# KiCad board Primero_esquematico.kicad_pcb (continued)
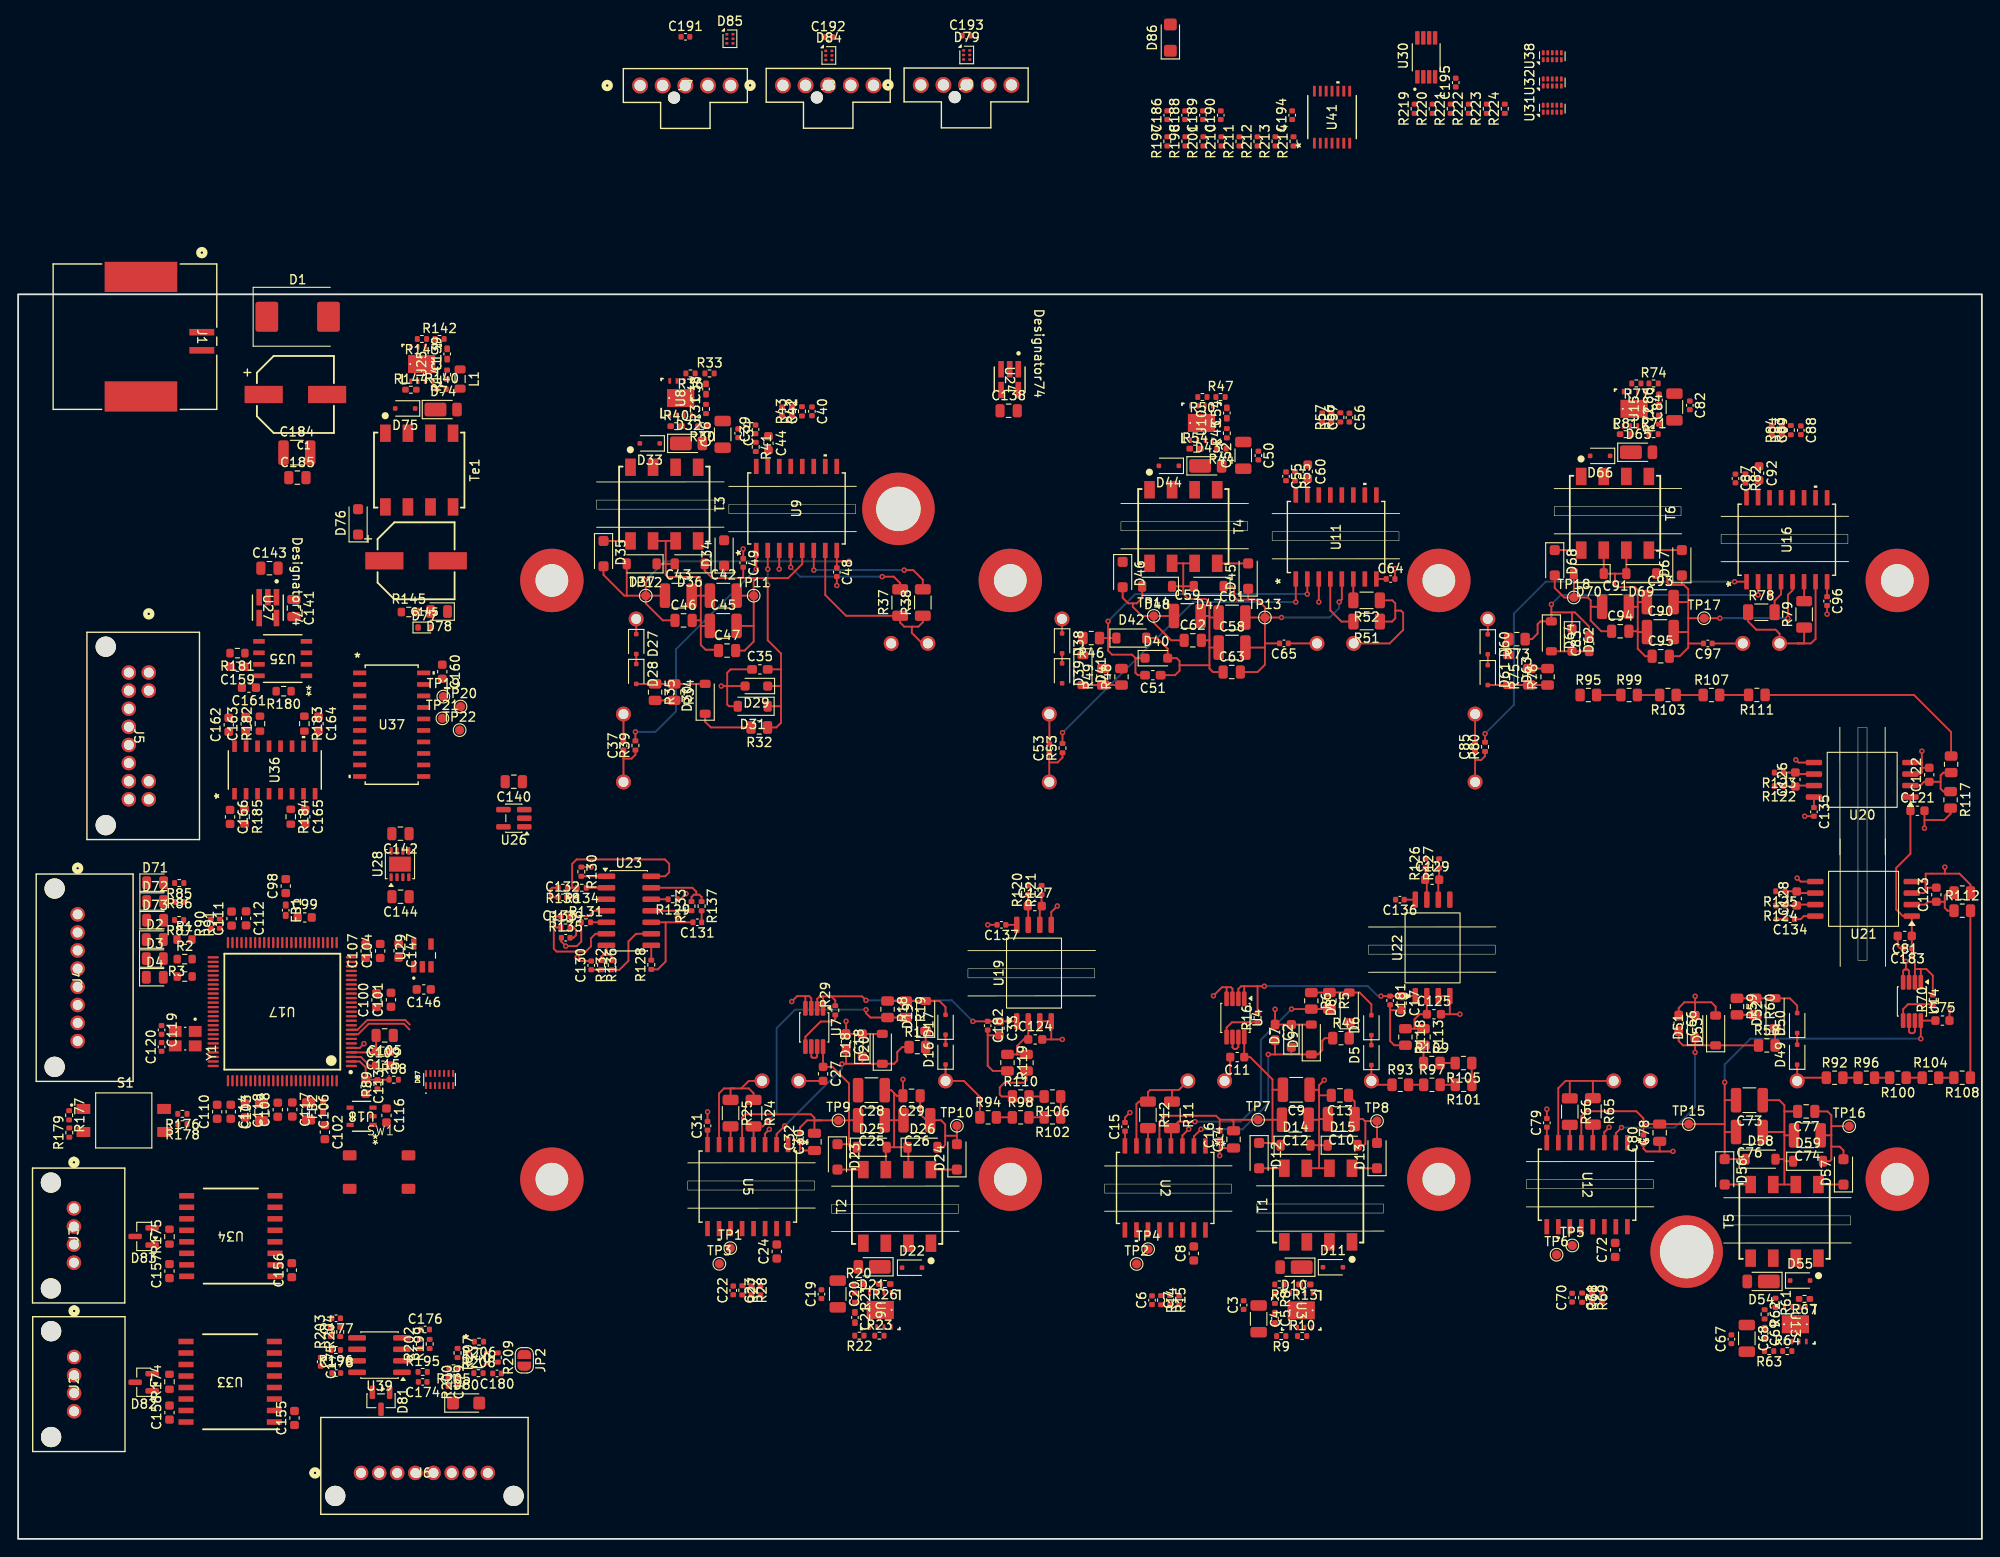
[diagram p0: board, top side]
## Placement (name value [footprint] x y rotation side) (continued)
R46  475  [R_0805_2012Metric]  118.45 99.45 180 top
R47  12k1  [R_0402_1005Metric]  132.72 126.06 0 top
R48  2k  [R_0805_2012Metric]  121.79 95.17 90 top
R49  2k  [R_0805_2012Metric]  119.79 95.17 90 top
R50  110k  [R_0402_1005Metric]  130.72 126.06 180 top
R51  2.4  [R_1206_3216Metric]  148.85 101.27 180 top
R52  5.1  [R_1206_3216Metric]  148.84 103.61 180 top
R53  10  [R_0402_1005Metric]  115.28 87.3 90 top
R54  154k  [R_0402_1005Metric_Pad0.72x0.64mm_HandSolder]  129.92 120.36 0 top
R55  360  [R_0402_1005Metric]  140.95 117.31 270 top
R56  5k  [R_0402_1005Metric]  145.95 123.81 90 top
R57  2k  [R_0402_1005Metric]  144.95 123.81 90 top
R58  475  [R_0805_2012Metric]  193.01 54.48 0 top
R59  2k  [R_0805_2012Metric]  189.73 58.77 270 top
R60  2k  [R_0805_2012Metric]  191.73 58.77 270 top
R61  246k  [R_0402_1005Metric]  193.97 26.06 270 top
R62  37k  [R_0402_1005Metric]  192.77 24.79 270 top
R63  12k1  [R_0402_1005Metric]  193.27 20.73 180 top
R64  110k  [R_0402_1005Metric]  195.27 20.73 0 top
R65  2.4  [R_1206_3216Metric]  173.82 47.19 270 top
R66  5.1  [R_1206_3216Metric]  171.27 47.17 270 top
R67  154k  [R_0402_1005Metric_Pad0.72x0.64mm_HandSolder]  197.17 26.49 180 top
R68  5k  [R_0402_1005Metric]  172.63 26.63 270 top
R69  2k  [R_0402_1005Metric]  173.73 26.63 270 top
R70  330k  [R_0402_1005Metric]  211.34 59.53 90 top
R71  246k  [R_0402_1005Metric]  180.52 121.96 0 top
R72  37k  [R_0402_1005Metric]  181.12 123.56 90 top
R73  475  [R_0805_2012Metric]  165.43 99.33 180 top
R74  12k1  [R_0402_1005Metric]  180.52 127.56 0 top
R75  2k  [R_0805_2012Metric]  166.82 95.17 90 top
R76  2k  [R_0805_2012Metric]  168.82 95.17 90 top
R77  110k  [R_0402_1005Metric]  178.62 127.56 180 top
R78  2.4  [R_1206_3216Metric]  192.41 102.3 0 top
R79  5.1  [R_1206_3216Metric]  197.14 102.07 90 top
R80  10  [R_0402_1005Metric]  161.92 87.44 90 top
R81  154k  [R_0402_1005Metric_Pad0.72x0.64mm_HandSolder]  177.42 121.96 0 top
R82  360  [R_0402_1005Metric]  190.66 117.07 270 top
R83  5k  [R_0402_1005Metric]  195.67 122.4 90 top
R84  2k  [R_0402_1005Metric]  194.67 122.4 90 top
R85  1k5  [R_0402_1005Metric]  17.78 72.4 180 top
R86  1k5  [R_0402_1005Metric]  17.8 70.32 180 top
R87  1k5  [R_0402_1005Metric]  17.77 68.32 180 top
R88  0  [R_0402_1005Metric]  41.46 50.69 0 top
R89  10k  [R_0402_1005Metric]  39.66 50.19 90 top
R90  0  [R_0402_1005Metric]  21.26 67.91 90 top
R91  0  [R_0402_1005Metric]  22.26 67.91 90 top
R92  100k  [R_0805_2012Metric]  200.5 50.91 0 top
R93  100k  [R_0805_2012Metric]  152.56 50.13 0 top
R94  100k  [R_0805_2012Metric]  107.07 46.54 0 top
R95  100k  [R_0805_2012Metric]  173.32 93.16 0 top
R96  100k  [R_0805_2012Metric]  204 50.91 0 top
R97  100k  [R_0805_2012Metric]  156.05 50.13 0 top
R98  100k  [R_0805_2012Metric]  110.65 46.54 0 top
R99  100k  [R_0805_2012Metric]  177.82 93.16 0 top
R100  100k  [R_0805_2012Metric]  207.49 50.91 180 top
R101  100k  [R_0805_2012Metric]  159.55 50.13 180 top
R102  100k  [R_0805_2012Metric]  114.17 46.54 180 top
R103  100k  [R_0805_2012Metric]  182.1 93.16 180 top
R104  100k  [R_0805_2012Metric]  211.07 50.91 0 top
R105  100k  [R_0805_2012Metric]  159.53 52.53 180 top
R106  100k  [R_0805_2012Metric]  114.17 48.84 180 top
R107  100k  [R_0805_2012Metric]  186.9 93.16 0 top
R108  100k  [R_0805_2012Metric]  214.57 50.91 180 top
R109  100k  [R_0805_2012Metric]  156.04 52.53 0 top
R110  100k  [R_0805_2012Metric]  110.67 48.84 0 top
R111  100k  [R_0805_2012Metric]  191.92 93.17 180 top
R112  100k  [R_0805_2012Metric]  214.59 69.35 0 top
R113  100k  [R_0805_2012Metric]  155.12 55.41 270 top
R114  100k  [R_0805_2012Metric]  111.3 52.57 270 top
R115  100k  [R_0805_2012Metric]  213.36 85.51 90 top
R116  2k2  [R_0805_2012Metric]  214.59 71.35 0 top
R117  2k2  [R_0805_2012Metric]  213.3 81.59 270 top
R118  2k2  [R_0805_2012Metric]  153.12 55.41 270 top
R119  2k2  [R_0805_2012Metric]  109.2 52.58 270 top
R120  4k42  [R_0402_1005Metric]  111.47 71.64 90 top
R121  4k42  [R_0402_1005Metric]  112.97 71.64 90 top
R122  4k42  [R_0402_1005Metric]  194.35 83.1 180 top
R123  4k42  [R_0402_1005Metric]  194.35 84.6 180 top
R124  4k42  [R_0402_1005Metric]  194.52 69.92 180 top
R125  4k42  [R_0402_1005Metric]  194.51 71.5 180 top
R126  4k42  [R_0402_1005Metric]  155.35 74.57 90 top
R127  4k42  [R_0402_1005Metric]  156.85 74.57 90 top
R128  7k68  [R_0402_1005Metric]  69.89 63.38 90 top
R129  7k68  [R_0402_1005Metric]  72.26 70.61 180 top
R130  7k68  [R_0402_1005Metric]  62.17 73.66 270 top
R131  7k68  [R_0402_1005Metric]  62.67 68.07 0 top
R132  7k68  [R_0402_1005Metric]  65.53 63.33 90 top
R133  7k68  [R_0402_1005Metric]  74.33 69.85 90 top
R134  7k68  [R_0402_1005Metric]  62.21 71.88 180 top
R135  7k68  [R_0402_1005Metric]  60.43 68.74 180 top
R136  100  [R_0402_1005Metric]  64.35 63.34 270 top
R137  100  [R_0402_1005Metric]  75.44 69.85 270 top
R138  100  [R_0402_1005Metric]  60.12 71.88 180 top
R139  100  [R_0402_1005Metric]  60.42 67.5 0 top
R140  246k  [R_0402_1005Metric]  46.74 126.94 0 top
R141  37k  [R_0402_1005Metric]  47.35 128.53 90 top
R142  12k1  [R_0402_1005Metric]  46.51 132.47 0 top
R143  110k  [R_0402_1005Metric]  44.57 132.47 180 top
R144  158k  [R_0402_1005Metric_Pad0.72x0.64mm_HandSolder]  43.35 126.87 0 top
R145  1k5  [R_0603_1608Metric]  43.12 102.33 0 top
R174  120  [R_0603_1608Metric]  16.71 17.35 90 top
R175  120  [R_0603_1608Metric]  16.71 33.37 90 top
R176  10k  [R_0402_1005Metric]  18.13 46.92 180 top
R177  0  [R_0402_1005Metric]  5.63 46.76 270 top
R178  10k  [R_0402_1005Metric]  18.14 45.78 180 top
R179  0  [R_0402_1005Metric]  5.65 44.85 90 top
R180  10k  [R_0603_1608Metric]  29.31 93.59 180 top
R181  120  [R_0603_1608Metric]  24.21 97.79 180 top
R182  120  [R_0603_1608Metric]  26.69 90 90 top
R183  120  [R_0603_1608Metric]  31.59 90 270 top
R184  120  [R_0603_1608Metric]  30.09 79.73 270 top
R185  120  [R_0603_1608Metric]  24.99 79.74 270 top
R195  100  [R_0402_1005Metric]  44.66 18.44 0 top
R196  100  [R_0402_1005Metric]  35.07 20.86 180 top
R197  820  [R_0402_1005Metric]  126.84 154.28 90 top
R198  820  [R_0402_1005Metric]  128.83 154.28 90 top
R199  220k  [R_0402_1005Metric]  45.43 21.52 90 top
R200  220k  [R_0402_1005Metric]  48.51 17.3 90 top
R201  820  [R_0402_1005Metric]  130.82 154.28 90 top
R202  470k  [R_0402_1005Metric]  44.35 21.52 90 top
R203  220k  [R_0402_1005Metric]  34.51 22.87 90 top
R204  470k  [R_0402_1005Metric]  35.56 22.85 90 top
R205  470k  [R_0402_1005Metric]  48.05 18.83 180 top
R206  62k  [R_0402_1005Metric]  50.87 21.77 180 top
R207  47k  [R_0402_1005Metric]  48.5 20.52 270 top
R208  100k  [R_0402_1005Metric]  50.81 18.29 0 top
R209  1k  [R_0402_1005Metric]  52.95 20.02 270 top
R210  10k  [R_0402_1005Metric]  132.81 154.28 90 top
R211  10k  [R_0402_1005Metric]  134.8 154.28 90 top
R212  10k  [R_0402_1005Metric]  136.79 154.28 90 top
R213  10k  [R_0402_1005Metric]  138.78 154.28 90 top
R214  1k  [R_0402_1005Metric]  140.77 154.28 90 top
R219  39  [R_0402_1005Metric]  154.14 157.89 90 top
R220  5k  [R_0402_1005Metric]  156.13 157.89 90 top
R221  20k  [R_0402_1005Metric]  158.12 157.89 90 top
R222  11k  [R_0402_1005Metric]  160.11 157.89 90 top
R223  10k  [R_0402_1005Metric]  162.1 157.89 90 top
R224  5k  [R_0402_1005Metric]  164.09 157.89 90 top
S1  DS04-254-2-02BK-SMT-TR  [SW_DS04-254-2-02BK-SMT-TR]  11.66 46.19 0 top
SW1  -  [IT-1187-160GM-G]  36.59 38.64 0 top
T1  750317595  [WE-FLYTI_EP7_4436]  143.49 36.86 90 top
T2  750317595  [WE-FLYTI_EP7_4436]  97.02 36.7 90 top
T3  750317595  [WE-FLYTI_EP7_4436]  71.33 114.24 270 top
T4  750317595  [WE-FLYTI_EP7_4436]  128.62 111.76 270 top
T5  750317595  [WE-FLYTI_EP7_4436]  194.97 35.06 90 top
T6  750317595  [WE-FLYTI_EP7_4436]  176.26 113.23 270 top
Te1  Trafo 30uH - 3:1  [WE-FLYTI_EP7_4436]  44.27 118 270 top
TP1  TestPoint  [TestPoint_Pad_D1.0mm]  78.61 32.1 0 top
TP2  TestPoint  [TestPoint_Pad_D1.0mm]  123.46 30.35 0 top
TP3  TestPoint  [TestPoint_Pad_D1.0mm]  77.4 30.37 0 top
TP4  TestPoint  [TestPoint_Pad_D1.0mm]  124.73 31.98 0 top
TP5  TestPoint  [TestPoint_Pad_D1.0mm]  171.55 32.39 0 top
TP6  TestPoint  [TestPoint_Pad_D1.0mm]  169.81 31.37 0 top
TP7  TestPoint  [TestPoint_Pad_D1.0mm]  136.87 46.27 0 top
TP8  TestPoint  [TestPoint_Pad_D1.0mm]  149.99 46.13 0 top
TP9  TestPoint  [TestPoint_Pad_D1.0mm]  90.55 46.2 0 top
TP10  TestPoint  [TestPoint_Pad_D1.0mm]  103.62 45.61 0 top
TP11  TestPoint  [TestPoint_Pad_D1.0mm]  81.19 104.13 0 top
TP12  TestPoint  [TestPoint_Pad_D1.0mm]  69.28 104.13 0 top
TP13  TestPoint  [TestPoint_Pad_D1.0mm]  137.62 101.72 0 top
TP14  TestPoint  [TestPoint_Pad_D1.0mm]  125.35 101.89 0 top
TP15  TestPoint  [TestPoint_Pad_D1.0mm]  184.4 45.79 0 top
TP16  TestPoint  [TestPoint_Pad_D1.0mm]  202.11 45.56 0 top
TP17  TestPoint  [TestPoint_Pad_D1.0mm]  186.1 101.64 0 top
TP18  TestPoint  [TestPoint_Pad_D1.0mm]  171.72 103.93 0 top
TP19  TestPoint  [TestPoint_Pad_D1.0mm]  46.93 92.99 0 top
TP20  TestPoint  [TestPoint_Pad_D1.0mm]  48.83 91.89 0 top
TP21  TestPoint  [TestPoint_Pad_D1.0mm]  46.83 90.59 0 top
TP22  TestPoint  [TestPoint_Pad_D1.0mm]  48.73 89.29 0 top
U1  FS950R08A6P2BBPSA1  [IC_FS950R08A6P2BBPSA1]  184.17 31.71 180 bottom
U2  UCC21750QDWRQ1  [SOIC16_DW_TEX-L]  126.61 38.75 270 top
U3  LM25180QNGURQ1  [NGU0008C]  141.63 25.23 270 top
U4  LP2951-5.0_VSSOP  [VSSOP-8_3x3mm_P0.65mm]  134.36 57.51 270 top
U5  UCC21750QDWRQ1  [SOIC16_DW_TEX-L]  80.54 38.89 270 top
U6  LM25180QNGURQ1  [NGU0008C]  95.17 25.28 270 top
U7  LP2951-5.0_VSSOP  [VSSOP-8_3x3mm_P0.65mm]  87.87 56.46 270 top
U8  LM25180QNGURQ1  [NGU0008C]  73.13 125.94 90 top
U9  UCC21750QDWRQ1  [SOIC16_DW_TEX-L]  85.92 113.76 90 top
U10  LM25180QNGURQ1  [NGU0008C]  130.62 123.2 90 top
U11  UCC21750QDWRQ1  [SOIC16_DW_TEX-L]  145.47 110.61 90 top
U12  UCC21750QDWRQ1  [SOIC16_DW_TEX-L]  173.18 39.1 270 top
U13  LM25180QNGURQ1  [NGU0008C]  196.17 23.69 270 top
U14  LP2951-5.0_VSSOP  [VSSOP-8_3x3mm_P0.65mm]  209.04 59.33 270 top
U15  LM25180QNGURQ1  [NGU0008C]  178.37 124.76 90 top
U16  UCC21750QDWRQ1  [SOIC16_DW_TEX-L]  195.22 110.31 90 top
U17  F280049CPZS  [PZ0100A_L]  29.16 58.2 180 top
U18  TPS3823-33DBVR  [DBV5-L]  37.91 46.65 180 top
U19  AMC1311BQDWVRQ1  [SOIC-8_7.5x5.85mm_P1.27mm]  112.13 62.46 90 top
U20  AMC1311BQDWVRQ1  [SOIC-8_7.5x5.85mm_P1.27mm]  203.54 83.8 180 top
U21  AMC1311BQDWVRQ1  [SOIC-8_7.5x5.85mm_P1.27mm]  203.69 70.66 180 top
U22  AMC1311BQDWVRQ1  [SOIC-8_7.5x5.85mm_P1.27mm]  156.12 65.25 90 top
U23  TLV9004QDRQ1  [SOIC-14_3.9x8.7mm_P1.27mm]  67.41 69.34 0 top
U24  TPS7A2050PDBVR  [DBV0005A-IPC_A]  109.45 127.98 270 top
U25  LM25180QNGURQ1  [NGU0008C]  44.54 129.7 90 top
U26  LP5907QMFX-3.3Q1  [SC-74A-5_1.55x2.9mm_P0.95mm]  54.72 79.56 180 top
U27  TPS7A2050PDBVR  [DBV0005A-IPC_A]  27.57 102.81 270 top
U28  TLV76733QWDRBRQ1  [VSON-8-1EP_3x3mm_P0.65mm_EP1.65x2.4mm]  42.15 74.49 90 top
U29  REF2030-Q1  [SOT95P0280X110-5N]  44.62 64.41 90 top
U30  TLV1702AQDGKRQ1  [SOP65P490X110-8N]  155.42 163.56 90 top
U31  TPD4E05U06DQA  [USON-10_2.5x1.0mm_P0.5mm]  169.33 157.89 90 top
U32  TPD4E05U06DQA  [USON-10_2.5x1.0mm_P0.5mm]  169.33 160.79 90 top
U33  ISO1042DWR  [DW0016B_HV]  23.41 17.35 180 top
U34  ISO1042DWR  [DW0016B_HV]  23.48 33.43 180 top
U35  SN65HVD82DR  [D8_TEX-L]  29.21 97.19 180 top
U36  AM26LS32AIDR  [D16-L]  28.33 84.89 90 top
U37  SN74LVC245ANSR  [NS20-L]  41.23 89.89 0 top
U38  TPD4E05U06DQA  [USON-10_2.5x1.0mm_P0.5mm]  169.33 163.68 90 top
U39  OPA2196xD  [SOIC-8_3.9x4.9mm_P1.27mm]  39.89 20.29 180 top
U40  TLV1701AQDCKRQ1  [SOIC_DCKRQ1_TEX-L]  50.71 19.96 0 top
U41  OPA4991QPWRQ1  [TSSOP_PWRQ1_TEX-L]  145.02 156.96 90 top
Y1  ABM8GAIG-20.000MHZ-8-7Z-T3  [XTAL_ABM8GAIG-20.000MHZ-8-7Z-T3]  18.44 55.22 270 top

## Library data of the parts
C1 C145 = -: Datasheet: https://www.we-online.com/components/products/datasheet/875075355002.pdf; Description: WCAP-PSLC_8X11.7; Compra: https://www.digikey.com/es/products/detail/w%C3%BCrth-elektronik/875075355002/5147653
C2 C3 C5-C10 C12-C16 C18 C19 C21-C26 C28-C32 C34 C35 C37-C51 C53-C67 C69-C74 C76-C80 C82 C83 C85-C97 C138-C144 C159-C166 C176-C180 C186 C195 = -: Description: Unpolarized capacitor; KiLib_Generator: SMD_2terminal_chip_molded; ki_fp_filters: C_*
C4 C20 C36 C52 C68 C84 = -: Datasheet: https://mm.digikey.com/Volume0/opasdata/d220001/medias/docus/41/CL31B475KAHNNNE_Spec.pdf; Description: Unpolarized capacitor; KiLib_Generator: SMD_2terminal_chip_molded; Compra: https://www.digikey.com/en/products/detail/samsung-electro-mechanics/CL31B475KAHNNNE/3886713; ki_fp_filters: C_*
C11 C17 C27 C33 C75 C81 C98-C137 C146 C147 C155-C158 C174 C175 C181-C183 C188-C194 = -: Description: Unpolarized capacitor, small symbol; KiLib_Generator: SMD_2terminal_chip_molded; ki_fp_filters: C_*
C184 C185 = -: KiLib_Generator: SMD_2terminal_chip_molded
D1 = -: Datasheet: https://www.ruilon.com.cn/Uploads/pdf/smdj%20series(3000w,5v_440v).pdf; Description: Bidirectional transient-voltage-suppression diode; Compra: https://www.digikey.com/en/products/detail/shenzhen-ruilongyuan-electronics-co-ltd/smdj13a/24815173; ki_fp_filters: TO-???* *_Diode_* *SingleDiode* D_*
D2-D4 D71-D73 D78 = -: Datasheet: https://www.kingbrightusa.com/images/catalog/SPEC/APT2012EC.pdf; Description: Light emitting diode; KiLib_Generator: SMD_2terminal_chip_molded; Compra: https://www.digikey.com/en/products/detail/kingbright/APT2012EC/1747527; Sim.Pins: 1=K 2=A; ki_fp_filters: LED* LED_SMD:* LED_THT:*
D5 D6 D16 D17 D27 D28 D38 D39 D49 D50 D60 D61 = -: Datasheet: https://www.st.com/content/ccc/resource/technical/document/datasheet/34/db/51/35/8d/0b/48/54/CD00003260.pdf/files/CD00003260.pdf/jcr:content/translations/en.CD00003260.pdf; Description: Diode; Sim.Device: D; Sim.Pins: 1=K 2=A; Compra: https://www.digikey.com/en/products/detail/stmicroelectronics/STTH112A/1039767?s=N4IgTCBcDaIMoBUEAkCMqwEEQF0C%2BQA; ki_fp_filters: TO-???* *_Diode_* *SingleDiode* D_*
D7 D18 D29 D40 D51 D62 = -: Datasheet: https://www.diodes.com/assets/Datasheets/BAT54WS.pdf; Description: Schottky diode; Compra: https://www.digikey.com/en/products/detail/diodes-incorporated/BAT54WS-7-F/804865; ki_fp_filters: TO-???* *_Diode_* *SingleDiode* D_*
D8 D19 D30 D41 D52 D63 = -: Datasheet: https://www.mccsemi.com/pdf/Products/BZT52C2V0_BZT52C75(500mW)(SOD-123).pdf; Description: Zener diode; Compra: https://www.digikey.com/en/products/detail/mcc-micro-commercial-components/BZT52C2V7-TP/806038; ki_fp_filters: TO-???* *_Diode_* *SingleDiode* D_*
D9 D20 D31 D42 D53 D64 = -: Datasheet: https://www.diodes.com/assets/Datasheets/ds18010.pdf; Description: Zener diode; Compra: https://www.digikey.com/en/products/detail/diodes-incorporated/MMSZ5242B-7-F/814367?s=N4IgTCBcDaILJwMoC0CsYAsYBCBaA7LgGIgC6AvkA; ki_fp_filters: TO-???* *_Diode_* *SingleDiode* D_*
D10 D21 D32 D43 D54 D65 D74 = -: Datasheet: https://www.diodes.com/assets/Datasheets/DFLZxxQ.pdf; Description: Zener diode; Compra: https://www.digikey.com/en/products/detail/diodes-incorporated/DFLZ24Q-7/5768808?s=N4IgTCBcDaIMwEYC0ARAYgGQFpgCwEUkB2AYQBUkA5FEAXQF8g; ki_fp_filters: TO-???* *_Diode_* *SingleDiode* D_*
D11 D22 D33 D44 D55 D66 D75 = -: Datasheet: https://diotec.com/request/datasheet/1n4148ws.pdf; Description: Diode; Sim.Device: D; Sim.Pins: 1=K 2=A; Compra: https://www.digikey.com/en/products/detail/diotec-semiconductor/1N4148WS-Q/22522880?s=N4IgTCBcDaICwA4DsCC0BGAcndiDqAyqgIoDCAKqpgCIgC6AvkA; ki_fp_filters: TO-???* *_Diode_* *SingleDiode* D_*
D12 D13 D23 D24 D34 D35 D45 D46 D56 D57 D67 D68 D76 = -: Datasheet: https://www.diodes.com/assets/Datasheets/SDM1U100S1F.pdf; Description: DIODE SCHOTTKY 100V 1A SOD123F; Compra: https://www.digikey.com/en/products/detail/diodes-incorporated/SDM1U100S1F-7/7354179?s=N4IgTCBcDaIMoBECyBGAqigDJuKBiAtAOwgC6AvkA; ki_fp_filters: TO-???* *_Diode_* *SingleDiode* D_*
D14 D25 D36 D47 D58 D69 = -: Datasheet: https://www.diodes.com/assets/Datasheets/ds18004.pdf; Description: Zener Diode 18 V 500 mW ±6% Surface Mount SOD-123; Compra: https://www.digikey.com/en/products/detail/diodes-incorporated/BZT52C18-7-F/815012; ki_fp_filters: TO-???* *_Diode_* *SingleDiode* D_*
D15 D26 D37 D48 D59 D70 = -: Datasheet: https://www.vishay.com/docs/86342/bzt52.pdf; Description: Zener Diode 8.2 V 410 mW ±2% Surface Mount SOD-123; Compra: https://www.digikey.com/en/products/detail/diodes-incorporated/BZT52C18-7-F/815012; ki_fp_filters: TO-???* *_Diode_* *SingleDiode* D_*
D77 = -: Datasheet: https://www.onsemi.com/pdf/datasheet/mm5z2v4t1-d.pdf; Description: Zener diode; Compra: https://www.digikey.com/en/products/detail/onsemi/SZMM5Z5V6T1G/3063188?s=N4IgTCBcDaIMoC0CySCsDUDUBsAVAjAOIgC6AvkA; ki_fp_filters: TO-???* *_Diode_* *SingleDiode* D_*
D79 D84 D85 = -: Datasheet: https://assets.nexperia.com/documents/data-sheet/PESDXL4UF_G_W.pdf; Description: Low capacitance unidirectional quadruple ESD protection diode array, 3.3V, Common Anode, SOT-886; Compra: https://www.digikey.com/es/products/detail/nexperia-usa-inc/PESD3V3L4UF-115/1966266; ki_fp_filters: SOT?886*
D80 D86 = -: Datasheet: https://www.vishay.com/doc?85881; Description: 200W unidirectional Transil Transient Voltage Suppressor, 16Vrwm, SMF; Compra: https://www.digikey.com/en/products/detail/eaton-electronics-division/SMF16A/13621327; ki_fp_filters: D*SMF*
D81-D83 = -: Datasheet: https://assets.nexperia.com/documents/data-sheet/PESDXS2UAT_SER.pdf; Description: 7V/12V, 600W Asymmetrical TVS Diode Array, SOT-23; KiLib_Generator: package/gullwing; Compra: https://ar.mouser.com/es/ProductDetail/Nexperia/PESD5V0S2UAT215?qs=LOCUfHb8d9udSD7DS71Scw%3D%3D; ki_fp_filters: SOT?23*
D87 = -: PARTREV: L; STANDARD: IPC-7351B; MANUFACTURER: Texas Instruments; Compra: https://www.digikey.com/es/products/detail/texas-instruments/TPD6E05U06RVZR/4307639
FB1 = -: Description: Ferrite bead, small symbol; KiLib_Generator: SMD_2terminal_chip_molded; Compra: https://www.digikey.com/en/products/detail/murata-electronics/BLM15PD600SZ1D/9815883; ki_fp_filters: Inductor_* L_* *Ferrite*
FB2 = -: Description: Ferrite bead, small symbol; KiLib_Generator: SMD_2terminal_chip_molded; Compra: https://www.digikey.com/en/products/detail/murata-electronics/BLM15AX221SZ1D/8323750; ki_fp_filters: Inductor_* L_* *Ferrite*
J1 = -: Datasheet: https://www.molex.com/en-us/products/part-detail-pdf/349128022?display=pdf; ki_fp_filters: CONN_SD-34912-001_02_MOL
J2 J3 = -: Datasheet: https://www.molex.com/en-us/products/part-detail/347920040?display=pdf&utm_source=M2X&utm_medium=api&utm_campaign=api&utm_id=M2X_API?utm_source=M2X&utm_medium=api&utm_campaign=api&utm_id=M2X_API; Description: Conn Shrouded Header (4 Sides) HDR 4 POS 2mm Solder ST Thru-Hole Mini 50™ Automotive Tray; MF: Molex; Package: None; Price: None; Check_prices: https://www.snapeda.com/parts/347920040/Molex/view-part/?ref=eda; Availability: In Stock; SnapEDA_Link: https://www.snapeda.com/parts/347920040/Molex/view-part/?ref=snap; MFR_NAME: Molex Connector Corporation; Compra: https://ar.mouser.com/ProductDetail/Molex/34792-0040?qs=sGAEpiMZZMvlX3nhDDO4AJy9rGo00fjPM2c1TumqwZg%3D
J4 J6 = -: Datasheet: https://www.molex.com/en-us/products/part-detail/347928082?display=pdf&utm_source=M2X&utm_medium=api&utm_campaign=api&utm_id=M2X_API?utm_source=M2X&utm_medium=api&utm_campaign=api&utm_id=M2X_API; Description: Automotive Connectors Mini50 UNSLD VHDR SR 8CKT POL C DGRY; MF: Molex; Package: None; Price: None; Check_prices: https://www.snapeda.com/parts/347928082/Molex/view-part/?ref=eda; Availability: In Stock; SnapEDA_Link: https://www.snapeda.com/parts/347928082/Molex/view-part/?ref=snap; MFR_NAME: Molex Connector Corporation; Compra: https://ar.mouser.com/ProductDetail/Molex/34792-8082?qs=sGAEpiMZZMvlX3nhDDO4AEvDUxDP%2FxEUkg6iDo6ojC8%3D
J5 = -: Datasheet: https://tools.molex.com/pdm_docs/as/AS-34791-020.pdf; Compra: https://www.digikey.com/en/products/detail/molex/0348250125/4504600?s=N4IgTCBcDaIMwBYAcYCsAGAjGkBdAvkA; ki_fp_filters: CONN_SD-34825-001_12_MOL
J7-J9 = -: Datasheet: https://www.molex.com/en-us/products/part-detail-pdf/1053091205?display=pdf; Compra: https://www.digikey.com/es/products/detail/molex/1053091205/6164122?s=N4IgTCBcDaIIwAYCsBmBBOOZkgLoF8g; ki_fp_filters: CONN_SD-105309-100_05_MOL
JP2 = -: Description: Jumper, 2-pole, open; ki_fp_filters: Jumper* TestPoint*2Pads* TestPoint*Bridge*
L1 = -: Datasheet: https://product.tdk.com/en/system/files/dam/doc/product/inductor/inductor/smd/catalog/inductor_commercial_decoupling_mlz2012_en.pdf; Description: Inductor; KiLib_Generator: SMD_2terminal_chip_molded; Compra: https://www.digikey.com/en/products/detail/tdk/MLZ2012N6R8LT000/2523499; ki_fp_filters: Choke_* *Coil* Inductor_* L_*
R1-R87 R92-R145 R176-R185 R195-R214 R219-R224 = -: Description: Resistor; KiLib_Generator: SMD_2terminal_chip_molded; ki_fp_filters: R_*
R88-R91 R174 R175 = -: Description: Resistor, small symbol; KiLib_Generator: SMD_2terminal_chip_molded; ki_fp_filters: R_*
S1 = -: PARTREV: V0.0; MANUFACTURER: CUI Inc.; MAXIMUM_PACKAGE_HEIGHT: 4.86 mm; STANDARD: Manufacturer Recommendations; Compra: https://www.digikey.com/es/products/detail/same-sky-formerly-cui-devices/DS04-254-2-02BK-SMT-TR/11310882
SW1 = -: Description: Push button switch, generic, two pins; Compra: https://electrocomponentes.com/tienda/componentes-electronicos/interruptores/tact-switch-smd-it-1187-160gm-g
T1-T6 = -: Datasheet: https://www.we-online.com/components/products/datasheet/750317595.pdf; Description: EP7 SMT;  Ui = 8-70V;  Uo1 = 15V/0.2A;  Uo2 = 8V/0.2A;  f = 300kHz; DigiKey_Part_Number: 1297-750317595CT-ND; SnapEDA_Link: https://www.snapeda.com/parts/750317595/Wurth+Electronics/view-part/?ref=snap; MF: Wurth Elektronik; Package: None; Check_prices: https://www.snapeda.com/parts/750317595/Wurth+Electronics/view-part/?ref=eda; Compra: https://www.digikey.com/en/products/detail/w%C3%BCrth-elektronik/750317595/22040890?s=N4IgTCBcDaIOwFYAMBmAjIgnAkBdAvkA
Te1 = -: Datasheet: https://www.digikey.com/en/products/detail/w%C3%BCrth-elektronik/750317605/22040872?s=N4IgTCBcDaIOwFYAMBmAjHAbEhIC6AvkA; Description: Transformer, single primary, single secondary
TP1-TP22 = -: Description: test point; ki_fp_filters: Pin* Test*
U1 = -: Datasheet: https://www.infineon.com/assets/row/public/documents/10/49/infineon-fs950r08a6p2lb-datasheet-en.pdf?fileId=5546d4627aa5d4f5017b5311f6332559; Description: IGBT Module Trench Field Stop Three Phase Inverter 750 V 950 A 870 W Chassis Mount AG-HYBRIDD-1; DigiKey_Part_Number: 448-FS950R08A6P2BBPSA1-ND; SnapEDA_Link: https://www.snapeda.com/parts/FS950R08A6P2BBPSA1/Infineon/view-part/?ref=snap; MAXIMUM_PACKAGE_HEIGHT: 25.75mm; Package: AG-HYBRIDD-1 Infineon Technologies; Check_prices: https://www.snapeda.com/parts/FS950R08A6P2BBPSA1/Infineon/view-part/?ref=eda; STANDARD: Manufacturer Recommendations; PARTREV: 3.0; MF: Infineon Technologies; MANUFACTURER: Infineon Technologies
U2 U5 U9 U11 U12 U16 = -: Datasheet: https://www.ti.com/lit/gpn/ucc21750-q1; ki_fp_filters: SOIC16_DW_TEX SOIC16_DW_TEX-M SOIC16_DW_TEX-L
U3 U6 U8 U10 U13 U15 U25 = -: Datasheet: https://www.ti.com/lit/gpn/lm25180-q1; ki_fp_filters: NGU0008C
U4 U7 U14 = -: Datasheet: http://www.ti.com/lit/ds/symlink/lp2951.pdf; Description: Micropower Voltage Regulators with Shutdown, 100mA, Fixed Output 5.0V, LDO, VSSOP-8; KiLib_Generator: package/gullwing; ki_fp_filters: VSSOP*3x3mm*P0.65mm*
U17 = -: Datasheet: https://www.ti.com/lit/gpn/tms320f280049c; Description: C28x C2000™ C28x Piccolo™ Microcontroller IC 32-Bit 100MHz 256KB (256K x 8) FLASH 100-LQFP (14x14); Compra: https://www.digikey.com/en/products/detail/texas-instruments/F280049CPZS/9692705; ki_fp_filters: PZ0100A_N PZ0100A_M PZ0100A_L
U18 = -: Datasheet: https://www.ti.com/lit/gpn/tps3823; Compra: https://www.digikey.com/en/products/detail/texas-instruments/TPS3823-33DBVR/277000; ki_fp_filters: DBV5 DBV5-M DBV5-L
U19-U22 = -: Datasheet: http://www.ti.com/lit/ds/symlink/amc1300.pdf; Description: Fully-differental isolated amplifier, ±250-mV Input, reinforced isloation, fixed gain = 8.2, peak isolation voltage 7071V, transient immunity 15kV/us, UL1577/VDE V 0884-11 approved, SOIC-8; KiLib_Generator: package/gullwing; Compra: https://www.digikey.com/en/products/detail/texas-instruments/AMC1311BQDWVRQ1/9477603; ki_fp_filters: SOIC*7.5x5.85mm*P1.27mm*
U23 = -: Datasheet: http://www.ti.com/lit/ds/symlink/tlv9004.pdf; Description: Low-Power, Quad-Operational Amplifiers, Texas S-PX2QFN-14; KiLib_Generator: package/gullwing; Compra: https://www.digikey.com/en/products/detail/texas-instruments/TLV9004QDRQ1/13174037; ki_fp_filters: Texas*S*PX2QFN*
U24 U27 = -: Datasheet: https://www.ti.com/lit/gpn/tps7a20; Description: Linear Voltage Regulator IC Positive Fixed 1 Output 300mA SOT-23-5; Compra: https://www.digikey.com/en/products/detail/texas-instruments/TPS7A2050PDBVR/13566862?s=N4IgTCBcDaICoAUDKB2AgmADAVkwgIgEIBqASgAQgC6AvkA; MAXIMUM_PACKAGE_HEIGHT: 1.45mm; CREATOR: ANA; STANDARD: IPC-7351B; PARTREV: H; VERIFIER: RODRIGO; MANUFACTURER: Texas Instruments
U26 = -: Datasheet: https://www.ti.com/lit/ds/symlink/lp5907-q1.pdf?HQS=dis-dk-null-digikeymode-dsf-pf-null-wwe&ts=1782342759139&ref_url=https%253A%252F%252F2a949073472b-benevolent-lorelei.s3.ru1.storage.beget.cloud%252F; Description: 250-mA Ultra-Low-Noise Low-IQ LDO, 3.3V, SOT-23; KiLib_Generator: package/gullwing; Compra: https://www.digikey.com/es/products/detail/texas-instruments/LP5907QMFX-3-3Q1/5013206?s=N4IgTCBcDaIDIAUCsBOADAdgIoFkBiAGgLQDMAdCVgIwgC6AvkA; ki_fp_filters: SOT?23*
U28 = -: Datasheet: https://www.ti.com/lit/ds/symlink/tlv767-q1.pdf; Description: 1A, 16V Precision Linear Voltage Regulator, with enable pin, Fixed Output 5.0V, VSON-8; KiLib_Generator: package/no_lead; Compra: https://www.digikey.com/es/products/detail/texas-instruments/TLV76733QWDRBRQ1/15856719; ki_fp_filters: VSON*1EP*3x3mm*P0.65mm*
U29 = -: MAXIMUM_PACKAGE_HEIGHT: 1.1mm; CREATOR: ANA; STANDARD: IPC-7351B; PARTREV: December 2021; VERIFIER: ASHISH; MANUFACTURER: Texas Instruments; Compra: https://www.digikey.com/en/products/detail/texas-instruments/REF2030QDDCRQ1/15926651?s=N4IgTCBcDaIEoFEBiYAMBmVBFAIjgwnFgIwgC6AvkA
U30 = -: Compra: https://www.digikey.com/es/products/detail/texas-instruments/TLV1702AQDGKRQ1/5822934
U31 U32 U38 = -: Datasheet: https://www.ti.com/lit/ds/symlink/tpd4e05u06.pdf; Description: 4-Channel ESD Protection for Super-Speed USB 3.0 Interface, USON-10; Compra: https://www.digikey.com/es/products/detail/texas-instruments/TPD4E05U06QDQARQ1/4972148; ki_fp_filters: USON*2.5x1.0mm*P0.5mm*
U33 U34 = -: Datasheet: https://www.ti.com/lit/gpn/iso1042; ki_fp_filters: DW0016B_N DW0016B_L DW0016B_M DW0016B_HV
U35 = -: Datasheet: https://www.ti.com/lit/gpn/sn65hvd82; Compra: https://www.digikey.com/es/products/detail/texas-instruments/SN65HVD82DR/3694309; ki_fp_filters: D8_TEX D8_TEX-M D8_TEX-L
U36 = -: Datasheet: https://www.ti.com/lit/gpn/am26ls32a; Compra: https://www.digikey.com/en/products/detail/texas-instruments/AM26LS32AIDR/484718; ki_fp_filters: D16 D16-M D16-L
U37 = -: Datasheet: https://www.ti.com/lit/gpn/sn74lvc245a; Compra: https://www.digikey.com/en/products/detail/texas-instruments/SN74LVC245ANSR/499514; ki_fp_filters: NS20 NS20-M NS20-L
U39 = -: Datasheet: http://www.ti.com/lit/ds/symlink/opa4196.pdf; Description: Dual, Low-Power, Low Offset Voltage, Rail-to-Rail Operational Amplifier, SOIC-8; KiLib_Generator: package/gullwing; ki_fp_filters: SOIC*3.9x4.9mm*P1.27mm*
U40 = -: Datasheet: https://www.ti.com/lit/gpn/tlv1701-q1; Compra: https://www.digikey.com/en/products/detail/texas-instruments/TLV1701AQDCKRQ1/11502242; ki_fp_filters: SOIC_DCKRQ1_TEX SOIC_DCKRQ1_TEX-M SOIC_DCKRQ1_TEX-L
U41 = -: Datasheet: https://www.ti.com/lit/gpn/opa4991-q1; Compra: https://www.digikey.com/es/products/detail/texas-instruments/OPA4991QPWRQ1/15666839; ki_fp_filters: TSSOP_PWRQ1_TEX TSSOP_PWRQ1_TEX-M TSSOP_PWRQ1_TEX-L
Y1 = -: PARTREV: 44610; MANUFACTURER: Abracon; MAXIMUM_PACKAGE_HEIGHT: 1.0 mm; STANDARD: Manufacturer Recommendations; Compra: https://www.digikey.com/en/products/detail/abracon-llc/ABM8GAIG-20-000MHZ-8-7Z-T3/15996001?s=N4IgjCBcoOwAwyqAxlAZgQwDYGcCmANCAPZQDaIAzGAExhwCsIAukQA4AuUIAyhwE4BLAHYBzEAF8idBnCQhUkTLkIlyIGnAAEAWQASALxbsukEAFVhgjgHk0OvBhwBXfnklSN6gIIAhHQAcAOLGIABs8oIAJtwALBEm3HxCYiBEHACebO5mTqgSEkA

## Footprints (pads in the part's own frame, mm; a bottom-side part is the same pattern mirrored in y, then rotated)
C_0402_1005Metric
  rrect 0.56x0.62 smd: 1(-0.48,0) 2(0.48,0)
C_0402_1005Metric_Pad0.74x0.62mm_HandSolder
  rrect 0.735x0.62 smd: 1(-0.568,0) 2(0.568,0)
C_0603_1608Metric
  rrect 0.9x0.95 smd: 1(-0.775,0) 2(0.775,0)
C_0603_1608Metric_Pad1.08x0.95mm_HandSolder
  rrect 1.075x0.95 smd: 1(-0.863,0) 2(0.863,0)
C_0805_2012Metric
  rrect 1x1.45 smd: 1(-0.95,0) 2(0.95,0)
C_1206_3216Metric
  rrect 1.15x1.8 smd: 1(-1.475,0) 2(1.475,0)
C_1210_3225Metric
  rrect 1.15x2.7 smd: 1(-1.475,0) 2(1.475,0)
CONN04_34792_MOL
  round 2.235 hole 2.235 unplated: (-2.845,-2.54) (8.839,-2.54)
  round 1.6 hole 1.092: 1(0,0) 2(2.007,0) 3(3.988,0) 4(5.994,0)
CONN08_34792_MOL
  round 2.235 hole 2.235 unplated: (-2.845,-2.54) (16.84,-2.54)
  round 1.6 hole 1.092: 1(0,0) 2(2.007,0) 3(3.988,0) 4(5.994,0) 5(8.001,0) 6(10.008,0) 7(11.989,0) 8(13.995,0)
CONN_SD-34825-001_12_MOL
  round 2.235 hole 2.235 unplated: (-2.85,-4.75) (16.85,-4.75)
  round 1.6 hole 1.092: 1(0,0) 2(2,0) 3(12,0) 4(14,0) 5(0,-2.2) 6(2,-2.2) 7(4,-2.2) 8(6,-2.2) 9(8,-2.2) 10(10,-2.2) 11(12,-2.2) 12(14,-2.2)
CONN_SD-34912-001_02_MOL
  rect 0.711x2.743 smd: 1(-0.5,7.383) 2(1.5,7.383)
  rect 3.327x8.001 smd: MNT1(-6.6,0.663) MNT2(6.6,0.663)
CONN_SD-105309-100_05_MOL
  round 1.346 hole 1.346 unplated: (3.75,-1.34)
  round 1.753 hole 1.245: 1(0,0) 2(2.5,0) 3(5,0) 4(7.5,0) 5(10,0)
D8_TEX-L
  rect 1.257x0.508 smd: 1(-2.623,1.905) 2(-2.623,0.635) 3(-2.623,-0.635) 4(-2.623,-1.905) 5(2.623,-1.905) 6(2.623,-0.635) 7(2.623,0.635) 8(2.623,1.905)
D16-L
  rect 1.257x0.508 smd: 1(-2.623,4.445) 2(-2.623,3.175) 3(-2.623,1.905) 4(-2.623,0.635) 5(-2.623,-0.635) 6(-2.623,-1.905) 7(-2.623,-3.175) 8(-2.623,-4.445) 9(2.623,-4.445) 10(2.623,-3.175) 11(2.623,-1.905) 12(2.623,-0.635) 13(2.623,0.635) 14(2.623,1.905) 15(2.623,3.175) 16(2.623,4.445)
D_PowerDI-123
  rrect 2.4x1.5 smd: 1(-0.85,0)
  rrect 1.05x1.5 smd: 2(1.525,0)
D_SMC
  rrect 2.5x3.3 smd: 1(-3.4,0) 2(3.4,0)
D_SMF
  rrect 1.3x1.4 smd: 1(-1.45,0) 2(1.45,0)
D_SOD-123
  rrect 0.9x1.2 smd: 1(-1.65,0) 2(1.65,0)
D_SOD-123F
  rrect 1.1x1.1 smd: 1(-1.4,0) 2(1.4,0)
D_SOD-323_HandSoldering
  rrect 1x1 smd: 1(-1.25,0) 2(1.25,0)
D_SOD-323F
  rrect 0.5x0.5 smd: 1(-1.1,0) 2(1.1,0)
D_SOD-523
  rrect 0.6x0.7 smd: 1(-0.7,0) 2(0.7,0)
DBV5-L
  rect 0.775x0.457 smd: 1(-1.264,0.95) 2(-1.264,0) 3(-1.264,-0.95) 4(1.264,-0.95) 5(1.264,0.95)
DBV0005A-IPC_A
  rect 1.805x0.612 smd: 1(-1.15,0.95) 2(-1.15,0) 3(-1.15,-0.95) 4(1.15,-0.95) 5(1.15,0.95)
DW0016B_HV
  rect 1.65x0.6 smd: 1(-4.875,4.445) 2(-4.875,3.175) 3(-4.875,1.905) 4(-4.875,0.635) 5(-4.875,-0.635) 6(-4.875,-1.905) 7(-4.875,-3.175) 8(-4.875,-4.445) 9(4.875,-4.445) 10(4.875,-3.175) 11(4.875,-1.905) 12(4.875,-0.635) 13(4.875,0.635) 14(4.875,1.905) 15(4.875,3.175) 16(4.875,4.445)
IC_FS950R08A6P2BBPSA1
  round 1.65 hole 1.1: C1(21.95,69.85) C2(-12.2,18.85) C3(68.95,69.85) C4(34.8,18.85) C5(115.95,69.85) C6(81.8,18.85) E1(-6.2,67.15) E2(4,18.85) E3(40.8,67.15) E4(51,18.85) E5(87.8,67.15) E6(98,18.85) G1(-10.25,67.15) G2(8.05,18.85) G3(36.75,67.15) G4(55.05,18.85) G5(83.75,67.15) G6(102.05,18.85) T1(23.35,51.85) T2(23.35,59.35) T3(70.35,51.85) T4(70.35,59.35) T5(117.35,51.85) T6(117.35,59.35)
  round 7 hole 3.6: D1(-23.25,8) D2(27.35,8) D3(74.65,8) D4(125.25,8) D5(125.25,74.1) D6(74.65,74.1) D7(27.35,74.1) D8(-23.25,74.1)
  round 8 hole 5.9: M1(0,0)
  round 8 hole 4.9: M2(87,82)
